# KiCad board rp2040.kicad_pcb (continued)
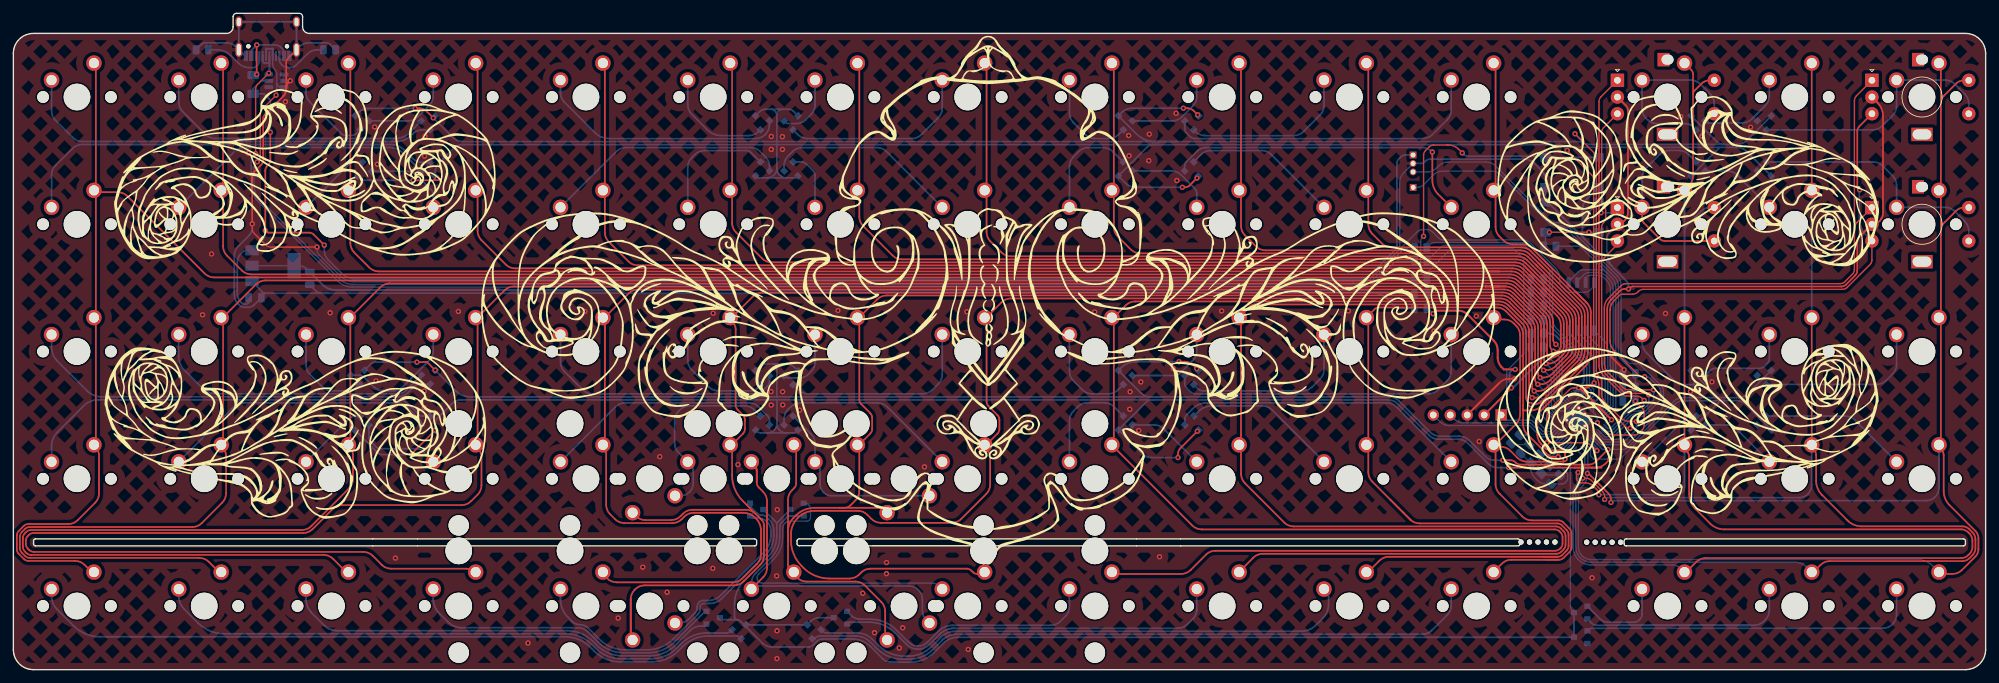
[diagram p0: board, top side]
## Routing (per net, layer and track width the routed paths; a pad name or vN(x,y) marks a point on that pad's centre or on a via; arc(x,y) is an arc through that point) (continued)
+5V: length 232.4
  Top w0.25: v1(46.55,63.55) 44.97,65.13 arc(44.65,65.35) 44.27,65.43 38.23,65.43 arc(38.04,65.47) 37.87,65.58 v1(37.72,65.73) 37.72,74.71 arc(37.79,75.09) 38.01,75.41 38.18,75.59 arc(38.4,75.91) 38.47,76.29 v1(38.47,80.44)
  Bottom w0.25: v1(46.55,63.55) 46.55,62.74 arc(46.7,61.98) 47.13,61.35 49.1,59.38 arc(50.07,58.73) 51.22,58.5 202.11,58.5 arc(202.49,58.57) 202.82,58.79 206.83,62.81 arc(207.05,63.13) 207.12,63.51 207.12,75.75 arc(207.2,76.13) 207.42,76.45 207.72,76.76 arc(208.05,76.97) 208.43,77.05 J2.1 ; v1(37.72,65.73) 37.72,65.24 arc(37.62,64.79) 37.37,64.4 U1.3 34.83,62.77 arc(34.56,62.71) 34.32,62.56 34.11,62.35 arc(33.68,61.7) 33.53,60.93 33.53,56.37 arc(33.68,55.61) 34.11,54.96 arc(34.41,54.76) 34.76,54.69 arc(34.94,54.73) 35.09,54.82 35.22,54.96 C1.1 ; U44.5 37.08,88.15 35.91,86.97 F0.2 37.53,86.21 38.47,85.27 v1(38.47,80.44) 38.47,80.22
GND: length 731.2
  Top w0.2: 35.76,66.69 v1(35.76,66.74) 35.76,66.02 arc(35.84,65.63) 36.05,65.31 37.82,63.54 arc(38.15,63.33) 38.53,63.25 v1(45.47,63.26) 45.47,63.25
  Top w0.25: v1(41.47,88.16) 41.16,87.85 arc(40.93,87.51) 40.85,87.11 40.85,86.92 ; SWrot_2.C 240.66,66.68 241.19,67.21 arc(241.59,67.8) 241.72,68.49 241.72,83.74 arc(241.65,84.12) 241.43,84.44 SWrot_2_2.C ; v1(224.77,43.55) 223.91,43.55 arc(223.15,43.39) 222.5,42.96 J1.3 222.36,42.82 ; 35.75,66.7 v1(35.76,66.74) 35.75,73.81 arc(35.82,74.19) 36.04,74.52 37.1,75.58 arc(37.32,75.91) 37.39,76.29 37.39,82.41 arc(37.47,82.8) 37.69,83.12 40.41,85.84 ; 40.85,86.92 40.85,90.83 arc(40.93,91.21) 41.14,91.54 J0.S1 ; 40.85,86.92 arc(40.73,86.33) 40.41,85.84 ; 40.85,86.92 arc(40.73,86.33) 40.41,85.84 ; SWrot_1.C 279.08,84.89 arc(279.7,83.97) 279.91,82.88 279.91,68.4 arc(279.78,67.74) 279.41,67.18 278.9,66.68 SWrot_1_1.C 276.35,64.77 arc(276.13,64.45) 276.05,64.07 276.05,59.74 arc(275.98,59.36) 275.76,59.04 274.38,57.65 arc(274.05,57.44) 273.67,57.36 242.45,57.36 arc(242.21,57.31) 242,57.17 v1(241.81,56.99) 241.2,56.99 arc(240.82,56.91) 240.5,56.69 239.2,55.39 arc(238.76,54.74) 238.61,53.98 238.61,48.26 arc(238.76,47.5) 239.2,46.85 v1(241.15,44.9)
  Bottom w0.2: 217.2,64.33 218.18,64.33 ; 217.2,64.33 214.08,64.33 arc(213.7,64.41) 213.37,64.62 212.41,65.59 arc(212.08,65.8) 211.7,65.88 210.92,65.88 arc(210.54,65.8) 210.21,65.59 207.26,62.63 ; 217.2,64.33 218.18,64.33 ; 218.18,64.33 225.83,64.33 arc(226.59,64.18) 227.24,63.75 230.93,60.05 arc(231.37,59.4) 231.52,58.64 231.52,57.97 arc(231.6,57.59) 231.81,57.26 232.28,56.79 arc(232.61,56.58) 232.99,56.5 235.32,56.5 arc(235.7,56.58) 236.02,56.79 236.48,57.25 arc(236.61,57.45) 236.66,57.69 U2.4 ; v1(41.47,88.16) 41.46,88.16 arc(41.45,88.15) 41.45,88.15 U44.2 ; 229.6,27.81 231.91,27.81 arc(232.11,27.85) 232.27,27.95 232.56,28.24 arc(232.67,28.41) 232.7,28.6 232.7,29.13 arc(232.67,29.32) 232.56,29.49 232.01,30.04 arc(231.41,30.43) 230.71,30.57 230.2,30.57 arc(230.1,30.64) 230.13,30.74 arc(230.25,30.93) 230.3,31.16 230.3,31.47 arc(230.37,31.86) 230.59,32.18 231.22,32.81 ; 227.2,30.29 227.2,29.92 ; 207.55,66.06 207.55,67.31 ; 207.55,66.06 207.55,67.31 ; 207.55,66.06 207.55,63.34 arc(207.47,62.96) 207.26,62.63 ; 207.55,67.31 207.55,72.95 arc(207.7,73.71) 208.14,74.36 J2.2 ; 207.26,62.63 206.68,62.05 ; 206.68,62.05 206.25,61.63 ; 206.68,62.05 206.25,61.63 ; 206.25,61.63 202.99,58.37 arc(202.67,58.15) 202.28,58.07 51.05,58.07 arc(49.9,58.3) 48.92,58.95 45.76,62.11 arc(45.54,62.44) 45.47,62.84 v1(45.47,63.26) ; C3.2 225.7,32.35 arc(225.77,32.34) 225.82,32.3 Y0.4 227.2,30.12 arc(227.34,29.37) 227.77,28.74 228.18,28.33 arc(228.75,27.94) 229.43,27.81 C2.2 ; C6.2 240.94,44.32 arc(240.94,44.31) 240.95,44.3 C8.2 ; 237.16,69.81 236.99,69.64 ; 231.22,32.81 U3.19 233.83,35.42 arc(233.98,35.52) 234.16,35.56 U3.57 ; 231.22,32.81 arc(231.22,32.81) 231.22,32.81 arc(231.22,32.81) 231.22,32.81 ; v1(35.76,66.74) 35.78,66.71 ; SWrot_2.C 238.87,65.39 arc(238.65,65.07) 238.58,64.69 238.58,62.73 arc(238.87,61.23) 239.72,59.97
  Bottom w0.25: J2.2 210.64,75.78 arc(211.02,75.86) 211.35,76.07 211.4,76.13 arc(211.73,76.34) 212.11,76.42 226.25,76.42 arc(227.01,76.27) 227.66,75.83 228.77,74.72 arc(229.21,74.07) 229.36,73.31 SW-1.1 229.36,70.33 231.42,68.27 ; 206.03,56.35 209.46,56.35 arc(209.58,56.33) 209.67,56.27 arc(209.73,56.17) 209.76,56.06 209.76,54.12 arc(209.75,54.11) 209.75,54.1 arc(209.73,54.09) 209.72,54.09 207.93,54.09 arc(207.17,54.24) 206.52,54.68 205.68,55.51 ; 206.03,56.35 203.66,56.35 ; 206.03,56.35 arc(205.58,56.05) 205.68,55.51 ; 240.39,59.29 241.34,58.35 ; 240.39,59.29 235.13,64.56 ; 240.39,59.29 241.34,58.35 ; 241.34,58.35 241.5,58.19 arc(241.73,57.84) 241.81,57.43 v1(241.81,56.99) ; 33.75,92.8 34.62,91.93 arc(34.68,91.89) 34.75,91.88 34.83,91.88 ; 33.75,92.8 33.75,96.98 42.39,96.98 42.39,92.8 ; 33.75,92.8 33.24,93.31 arc(32.67,93.69) 32,93.82 28.65,93.82 arc(28.41,93.78) 28.2,93.64 R7.2 ; C11.2 227.19,58.49 arc(227.19,58.5) 227.2,58.51 C14.2 ; 47.09,56.35 46.12,56.35 ; 47.09,56.35 46.12,56.35 ; 47.09,56.35 50.45,56.35 195.67,56.35 203.66,56.35 ; 46.12,56.35 37.76,56.35 ; 46.12,56.35 arc(45.68,56.44) 45.3,56.69 C4.2 ; v1(35.76,66.74) 35.76,66.1 arc(35.65,65.52) 35.31,65.02 33.66,63.37 arc(33.23,62.72) 33.08,61.95 33.08,56.08 arc(33.21,55.42) 33.59,54.85 34.02,54.41 arc(34.21,54.28) 34.44,54.24 35.14,54.24 arc(35.62,54.34) 36.04,54.61 C1.2 ; 37.76,56.35 37.58,56.35 ; 37.76,56.35 arc(37.67,56.33) 37.6,56.29 arc(37.61,56.33) 37.58,56.35 ; 42.39,92.8 41.53,91.93 arc(41.47,91.89) 41.4,91.88 41.33,91.88 ; 42.39,92.8 42.91,93.31 arc(43.48,93.69) 44.15,93.82 46.92,93.82 arc(47.19,93.77) 47.42,93.62 R6.2 ; 234.92,65.38 234.92,65.46 ; 234.92,65.38 234.92,64.77 235.13,64.56 ; 234.92,65.38 234.92,65.46 ; 234.92,65.46 234.92,66.14 ; 234.92,68.29 234.92,68.51 ; 234.92,68.29 234.92,66.82 ; 234.92,68.29 234.92,68.51 ; 234.92,68.51 234.92,68.76 ; 234.92,68.51 234.92,68.96 arc(235.07,69.73) 235.5,70.38 SW-1.1 ; 234.92,66.82 234.92,67.15 arc(234.99,67.53) 235.21,67.86 237.16,69.81 ; 234.92,66.82 234.92,66.14 ; 234.92,66.82 234.92,66.14 ; 37.58,56.35 arc(37.49,56.37) 37.42,56.41 35.76,58.08 arc(35.74,58.1) 35.73,58.14 U1.1 ; C9.2 C10.2 227.19,46.79 arc(227.03,46.02) 226.6,45.37 v1(224.77,43.55) 224.68,43.45 ; 235.13,64.56 234.41,65.28 ; 231.42,68.27 234.41,65.28 ; 231.42,68.27 arc(231.75,67.94) 232.08,67.6 ; 234.41,65.28 232.08,67.6 ; 203.66,56.35 arc(204.76,56.13) 205.68,55.51 ; 232.08,67.6 229.84,69.85 arc(229.7,69.94) 229.54,69.97 SW0.1
  vias: v1(28.32,53.13) v1(29.67,62.23) v1(35.19,77.31) v1(40.73,85.03) v1(47.42,53.43) v1(54.09,81.24) v1(54.28,43.23) v1(54.49,75.66) v1(57.19,16.7) v1(61.55,76.88) v1(61.52,41.7) v1(61.52,39.21) v1(61.62,79.84) v1(66.62,53.63) v1(77.05,3.98) v1(85.57,53.63) v1(90.55,7.72) v1(94.22,15.34) v1(96.77,31.89) v1(97.88,11.59) v1(104.77,53.35) v1(104.71,15.17) v1(108.47,30.7) v1(113.46,79.82) v1(113.48,77.88) v1(113.43,41.62) v1(113.45,39.61) v1(114.27,14.03) v1(114.37,23.95) v1(114.31,5.81) v1(114.31,1.66) v1(115.14,79.79) v1(115.14,77.88) v1(115.17,41.61) v1(115.18,39.63) v1(117.71,38.85) v1(123.45,53.76) v1(127.17,11.44) v1(128.93,5.53) v1(130.73,16.03) v1(130.72,14.37) v1(132.64,3.24) v1(133.15,6.26) v1(136.41,30.36) v1(142.75,53.58) v1(142.97,3.03) v1(161.9,53.55) v1(166.98,79.96) v1(167.03,76.93) v1(167.14,38.98) v1(167.2,41.6) v1(168.48,35.8) v1(168.8,43.07) v1(169.99,76.2) v1(170.06,80.16) v1(171.59,16.9) v1(173.65,45.08) v1(174.08,83.28) v1(174.19,73.22) v1(180.9,53.7) v1(199.87,53.7) v1(212.7,50.7) v1(219.02,52.93) v1(219.46,34.16) v1(236.34,13.75) v1(247.34,53.33) v1(249.64,82.79) v1(251.09,41.64) v1(252.78,79.85) v1(254.29,43.08) v1(260.08,81.2)
VBUS: length 11.8
  Top w0.25: 36.44,89.12 v1(36.42,89.1) 36.42,93.49 arc(36.43,93.5) 36.44,93.51 v1(36.45,93.53) 36.22,93.3
  Bottom w0.25: 40.53,91.88 40.53,92.29 arc(40.45,92.67) 40.23,93 40.11,93.11 arc(39.66,93.42) 39.12,93.53 v1(36.45,93.53) 35.92,93 arc(35.7,92.67) 35.62,92.29 35.62,91.88
/RP2040_schem/QSPI_SCLK: length 13.1
  Bottom w0.2: U2.6 235.39,50.55 arc(235.43,50.36) 235.53,50.21 237.71,48.03 arc(238.14,47.38) 238.29,46.62 238.29,39.89 U3.52
/RP2040_schem/QSPI_SD0: length 13.1
  Bottom w0.2: U3.53 238.69,39.72 238.69,47.89 arc(238.54,48.65) 238.11,49.3 U2.5
/RP2040_schem/QSPI_SD1: length 26.6
  Bottom w0.2: U2.2 234.12,58.03 arc(234.14,58.11) 234.18,58.17 235.16,59.16 arc(235.48,59.37) 235.87,59.45 237.11,59.45 arc(237.88,59.3) 238.53,58.86 238.91,58.48 arc(239.34,57.83) 239.49,57.07 239.49,39.39 U3.55
/RP2040_schem/QSPI_SD2: length 23.8
  Bottom w0.2: U3.54 239.09,39.55 239.09,56.9 arc(238.94,57.67) 238.51,58.32 238.36,58.46 arc(237.71,58.9) 236.95,59.05 236.17,59.05 arc(235.79,58.97) 235.47,58.76 235.39,58.68
/RP2040_schem/QSPI_SD3: length 13.1
  Bottom w0.2: U3.51 237.9,40.05 237.9,45.98 arc(237.74,46.75) 237.31,47.4 234.18,50.53 arc(234.14,50.59) 234.12,50.67 U2.7
/RP2040_schem/QSPI_SS: length 38.2
  Bottom w0.2: U2.1 232.85,58.03 arc(232.87,58.11) 232.91,58.17 234.29,59.56 arc(234.61,59.77) 235,59.85 237.6,59.85 arc(238.07,59.76) 238.46,59.49 ; R1.1 234.16,63.38 arc(234.54,63.3) 234.87,63.09 239.31,58.65 arc(239.74,58) 239.89,57.23 239.89,39.22 U3.56
/RP2040_schem/RUN: length 98.2
  Top w0.2: v1(216.93,77.36) 216.34,77.94 arc(215.69,78.38) 214.93,78.53 212.65,78.53 arc(212.27,78.45) 211.94,78.24 211.42,77.71 arc(211.2,77.39) 211.12,77.01 v1(211.12,64.87)
  Bottom w0.2: 211.21,64.79 v1(211.12,64.87) 210.91,64.66 arc(210.75,64.42) 210.7,64.14 210.7,59.44 R8.1 211.63,59.39 215.37,63.13 224.43,63.13 226.14,61.43 226.14,47.29 223.57,44.73 223.57,38.95 J1.1 223.53,37.34 227.32,37.34 229,35.66 230.11,35.66 U3.26
  Bottom w0.25: SW-1.2 229.49,76.69 arc(229.37,76.71) 229.27,76.78 arc(229.16,76.85) 229.04,76.87 219.54,76.87 arc(219.54,76.87) 219.54,76.87 arc(219.53,76.87) 219.53,76.87 217.76,76.87 arc(217.44,76.93) 217.17,77.11 v1(216.93,77.36)
/RP2040_schem/SWCLK: length 20.2
  Bottom w0.2: J1.5 213.58,37.13 213.68,37.04 213.89,36.88 214.11,36.74 214.35,36.64 214.61,36.58 214.87,36.54 215,36.54 226.98,36.54 228.67,34.86 230.44,34.86 U3.24
/RP2040_schem/SWD: length 17.2
  Bottom w0.2: U3.25 230.28,35.26 228.83,35.26 227.15,36.94 217.14,36.94 217.01,36.94 216.75,36.98 216.49,37.04 216.25,37.14 216.03,37.28 215.82,37.43 215.72,37.53 J1.4
/RP2040_schem/USB_D+: length 207.9
  Top w0.2: v1(39.33,86) 37.26,83.93 arc(37.05,83.6) 36.97,83.22 36.97,76.8 arc(36.91,76.5) 36.74,76.24 v1(36.51,76.02)
  Bottom w0.2: 39.44,87.75 39.44,89.12 arc(39.36,89.53) 39.14,89.87 arc(38.91,90.21) 38.83,90.62 J0.B6 ; 39.44,87.75 39.44,87.62 39.86,87.2 U44.3 ; 39.44,87.75 39.44,86.11 v1(39.33,86) ; R3.1 208.77,63.16 arc(208.39,63.08) 208.06,62.87 206.05,60.86 arc(206.05,60.86) 206.05,60.86 arc(206.05,60.86) 206.05,60.86 203.16,57.97 arc(202.83,57.75) 202.45,57.67 50.88,57.67 arc(49.73,57.9) 48.76,58.55 36.9,70.41 arc(36.25,71.39) 36.02,72.54 36.02,75.18 arc(36.08,75.5) 36.26,75.77 v1(36.51,76.02)
  Bottom w0.3: J0.B6 38.83,92.95 arc(38.82,92.95) 38.82,92.95 37.83,92.95 arc(37.83,92.95) 37.83,92.95 J0.A6
/RP2040_schem/USB_D-: length 206.1
  Top w0.2: v1(36.27,77.25) 36.27,86.91 arc(36.35,87.29) 36.56,87.62 v1(38.25,89.3)
  Bottom w0.2: 204.01,58.25 204.01,58.26 arc(204.01,58.26) 204.01,58.26 ; 204.01,58.25 203.32,57.57 arc(203,57.35) 202.62,57.27 50.71,57.27 arc(49.57,57.5) 48.59,58.15 36.5,70.25 arc(35.85,71.22) 35.62,72.37 35.62,76.13 arc(35.7,76.56) 35.94,76.92 v1(36.27,77.25) 36.41,77.38 ; 204.01,58.25 arc(204.01,58.25) 204.01,58.26 ; 38.33,91.84 38.33,90.73 ; R4.1 207.31,61.14 arc(206.93,61.06) 206.61,60.85 204.02,58.26 arc(204.02,58.26) 204.01,58.26
  Bottom w0.3: 38.33,90.8 38.33,89.38 v1(38.25,89.3) ; 38.33,90.8 38.33,91.84 ; 38.33,90.8 arc(38.32,90.8) 38.32,90.8 38.14,90.8 37.65,90.8 arc(37.42,90.89) 37.33,91.12 J0.B7
/RP2040_schem/XIN: length 10.9
  Bottom w0.2: 228.74,30.14 228.74,29.4 arc(228.74,29.39) 228.74,29.38 228.86,29.26 arc(228.98,29.18) 229.13,29.15 C2.1 ; 229.43,31.59 229.27,31.42 ; 229.43,31.59 228.26,30.41 228.26,29.87 Y0.3 ; 229.43,31.59 232.35,34.5 U3.20
/RP2040_schem/XOUT: length 8
  Bottom w0.2: U3.21 230.64,33.36 arc(230.32,33.15) 229.93,33.07 229.19,33.07 arc(228.81,33.15) 228.48,33.36 227.03,34.81 arc(226.71,35.03) 226.33,35.11 R5.1
/RP2040_schem/~{USB_BOOT}: length 9.8
  Top w0.2: v1(229.96,65.47) 229.96,65.48 arc(229.97,65.48) 229.97,65.48 233.73,65.48 ; 233.73,65.48 v1(235.88,65.48) ; 233.73,65.48 234.02,65.48
  Bottom w0.2: SW0.2 229.37,63.82 arc(229.34,63.65) 229.24,63.51 R1.2 ; 237.32,65.47 235.89,65.47 arc(235.89,65.47) 235.88,65.48 v1(235.88,65.48)
COL0: length 334.9
  Top w0.25: 12.02,90.53 12.19,90.36 arc(12.31,90.18) 12.35,89.97 12.35,72.03 arc(12.31,71.82) 12.19,71.64 ; 12.02,14.33 10.66,15.69 arc(10.01,16.12) 9.25,16.28 2.28,16.28 arc(1.89,16.35) 1.57,16.57 0.81,17.32 arc(0.6,17.65) 0.52,18.03 0.52,20.07 arc(0.6,20.45) 0.81,20.78 1.54,21.51 arc(1.87,21.72) 2.25,21.8 8.23,21.8 arc(8.99,21.95) 9.64,22.38 12.24,24.98 arc(12.67,25.63) 12.82,26.4 12.82,32.15 arc(12.73,32.62) 12.47,33.02 12.14,33.34 arc(12.11,33.37) 12.07,33.38 arc(12.05,33.39) 12.06,33.41 12.19,33.54 arc(12.31,33.72) 12.35,33.93 12.35,51.87 arc(12.31,52.08) 12.19,52.26 arc(12.12,52.43) 12.19,52.59 arc(12.31,52.77) 12.35,52.98 12.35,70.92 arc(12.31,71.13) 12.19,71.31 ; 12.25,71.48 15.64,71.48 arc(16.41,71.32) 17.06,70.89 28.64,59.31 arc(29.29,58.87) 30.06,58.72 223.92,58.72 arc(224.69,58.57) 225.33,58.13 229.93,53.54 arc(230.37,52.89) 230.52,52.12 230.52,49.42 arc(230.57,49.15) 230.73,48.91 v1(230.95,48.7) ; 12.25,71.48 arc(12.17,71.42) 12.19,71.31 ; 12.25,71.48 arc(12.17,71.53) 12.19,71.64 ; 12.19,71.31 arc(12.12,71.48) 12.19,71.64
  Bottom w0.2: U3.37 231.86,40.71 231.86,47.79 v1(230.95,48.7)
COL1: length 548.8
  Top w0.25: 31.07,90.53 31.24,90.36 arc(31.36,90.18) 31.4,89.97 31.4,72.03 arc(31.36,71.82) 31.24,71.64 arc(31.17,71.48) 31.24,71.31 arc(31.36,71.13) 31.4,70.92 31.4,63.39 arc(31.55,62.63) 31.99,61.98 34.21,59.76 arc(34.86,59.32) 35.62,59.17 224.11,59.17 arc(224.87,59.02) 225.52,58.58 231.08,53.02 arc(231.52,52.37) 231.67,51.61 231.67,48.42 arc(231.61,48.13) 231.45,47.89 231.23,47.67 v1(230.56,47.67) ; v1(230.56,47.67) 230.32,47.91 arc(230.13,48.19) 230.07,48.51 230.07,51.94 arc(229.92,52.7) 229.48,53.35 225.15,57.68 arc(224.5,58.12) 223.73,58.27 37.75,58.27 arc(36.98,58.12) 36.33,57.68 31.24,52.59 arc(31.17,52.43) 31.24,52.26 arc(31.36,52.08) 31.4,51.87 31.4,33.93 arc(31.36,33.72) 31.24,33.54 arc(31.17,33.38) 31.24,33.21 31.46,32.99 arc(31.74,32.56) 31.85,32.06 31.85,26.41 arc(31.69,25.64) 31.26,24.99 28.2,21.93 arc(27.55,21.5) 26.79,21.35 2.44,21.35 arc(2.05,21.27) 1.73,21.06 1.26,20.59 arc(1.05,20.27) 0.97,19.88 0.97,18.22 arc(1.05,17.83) 1.26,17.51 1.75,17.02 arc(2.08,16.8) 2.46,16.73 27.85,16.73 arc(28.61,16.57) 29.26,16.14 31.07,14.33 ; v1(230.56,47.67) 230.58,47.65
  Bottom w0.2: U3.36 231.46,40.54 231.46,46.77 v1(230.56,47.67)
COL2: length 549.8
  Top w0.25: 220.37,59.62 54.69,59.62 arc(53.93,59.77) 53.28,60.2 51.04,62.45 arc(50.6,63.1) 50.45,63.86 50.45,70.92 arc(50.41,71.13) 50.29,71.31 arc(50.22,71.48) 50.29,71.64 arc(50.41,71.82) 50.45,72.03 50.45,89.97 arc(50.41,90.18) 50.29,90.36 50.12,90.53 ; 220.37,59.62 222.5,59.62 ; 220.37,59.62 222.5,59.62 ; v1(229.99,46.68) 229.8,46.87 arc(229.67,47.07) 229.62,47.31 229.62,51.75 arc(229.47,52.51) 229.03,53.16 224.96,57.23 arc(224.31,57.67) 223.55,57.82 56.35,57.82 arc(55.58,57.67) 54.93,57.23 50.29,52.59 arc(50.22,52.43) 50.29,52.26 arc(50.41,52.08) 50.45,51.87 50.45,33.93 arc(50.41,33.72) 50.29,33.54 arc(50.22,33.38) 50.29,33.21 50.48,33.02 arc(50.75,32.62) 50.84,32.15 50.84,28.55 arc(50.69,27.79) 50.26,27.14 44.61,21.49 arc(43.96,21.05) 43.19,20.9 2.62,20.9 arc(2.24,20.82) 1.92,20.61 1.71,20.4 arc(1.5,20.08) 1.42,19.7 1.42,18.4 arc(1.5,18.02) 1.71,17.7 1.94,17.47 arc(2.27,17.25) 2.65,17.18 46.45,17.18 arc(47.21,17.02) 47.86,16.59 50.12,14.33 ; v1(229.99,46.68) 230.05,46.68 arc(230.82,46.83) 231.47,47.27 231.83,47.63 arc(232.04,47.95) 232.12,48.33 232.12,48.75 232.12,51.79 arc(231.97,52.56) 231.53,53.21 225.71,59.03 arc(225.06,59.47) 224.29,59.62 222.5,59.62 ; v1(229.99,46.68) 230.12,46.55
  Bottom w0.2: U3.35 231.06,40.38 231.06,45.61 v1(229.99,46.68)
COL3: length 552
  Top w0.25: 69.17,90.53 69.34,90.36 arc(69.46,90.18) 69.5,89.97 69.5,72.03 arc(69.46,71.82) 69.34,71.64 arc(69.27,71.48) 69.34,71.31 arc(69.46,71.13) 69.5,70.92 69.5,65.7 arc(69.65,64.94) 70.09,64.29 73.72,60.65 arc(74.37,60.22) 75.14,60.07 224.48,60.07 arc(225.24,59.92) 225.89,59.48 231.98,53.39 arc(232.42,52.74) 232.57,51.98 232.57,48.93 ; 221.19,57.37 223.36,57.37 ; 221.19,57.37 220.41,57.37 ; 221.19,57.37 223.36,57.37 ; 223.36,57.37 arc(224.13,57.22) 224.78,56.79 228.58,52.98 arc(229.02,52.33) 229.17,51.56 229.17,46.31 arc(229.21,46.13) 229.31,45.97 v1(229.46,45.83) 229.83,45.83 arc(230.6,45.98) 231.25,46.41 231.95,47.11 arc(232.41,47.8) 232.57,48.61 232.57,49.48 ; 220.41,57.37 222.65,57.37 ; 220.41,57.37 74.95,57.37 arc(74.18,57.22) 73.54,56.79 69.34,52.59 arc(69.27,52.43) 69.34,52.26 arc(69.46,52.08) 69.5,51.87 69.5,33.93 arc(69.46,33.72) 69.34,33.54 69.19,33.39 arc(69.19,33.38) 69.2,33.38 arc(69.22,33.37) 69.24,33.36 69.65,32.94 arc(69.97,32.46) 70.08,31.9 70.08,27.61 arc(69.93,26.84) 69.5,26.19 68.52,25.22 arc(67.87,24.78) 67.11,24.63 49.21,24.63 arc(48.45,24.48) 47.8,24.04 44.79,21.04 arc(44.14,20.6) 43.38,20.45 3.02,20.45 arc(2.64,20.37) 2.31,20.16 2.16,20.01 arc(1.95,19.68) 1.87,19.3 1.87,18.83 arc(1.95,18.45) 2.16,18.12 2.37,17.92 arc(2.69,17.7) 3.07,17.63 52.39,17.63 arc(53.16,17.47) 53.81,17.04 55.15,15.7 arc(55.8,15.26) 56.56,15.11 67.83,15.11 arc(68.35,15.01) 68.78,14.72 69.17,14.33
  Bottom w0.2: U3.34 230.66,40.21 230.66,44.62 v1(229.46,45.83)
COL4: length 436.9
  Top w0.25: 88.55,44.25 88.55,51.87 ; 88.22,90.53 88.39,90.36 arc(88.51,90.18) 88.55,89.97 88.55,72.03 arc(88.51,71.82) 88.39,71.64 arc(88.32,71.48) 88.39,71.31 arc(88.51,71.13) 88.55,70.92 88.55,65.47 arc(88.7,64.71) 89.14,64.06 92.09,61.1 arc(92.74,60.67) 93.51,60.52 224.66,60.52 arc(225.43,60.37) 226.08,59.93 232.43,53.58 arc(232.87,52.93) 233.02,52.16 233.02,48.37 arc(232.87,47.61) 232.44,46.97 230.88,45.41 arc(230.23,44.98) 229.47,44.83 v1(229.09,44.83) 228.9,45.01 arc(228.77,45.21) 228.72,45.45 228.72,46.49 ; 228.72,46.49 228.72,51.38 arc(228.57,52.14) 228.13,52.79 224.59,56.34 arc(223.94,56.77) 223.17,56.92 138.46,56.92 93.55,56.92 arc(92.78,56.77) 92.14,56.34 88.39,52.59 arc(88.32,52.43) 88.39,52.26 ; 228.72,46.49 228.72,45.63 ; 88.55,51.87 88.55,33.93 arc(88.51,33.72) 88.39,33.54 arc(88.32,33.38) 88.39,33.21 88.48,33.12 arc(88.68,32.83) 88.74,32.49 88.74,24.69 arc(88.9,23.92) 89.33,23.27 90.08,22.53 arc(90.73,22.09) 91.49,21.94 98.66,21.94 arc(99.42,22.09) 100.07,22.53 100.45,22.9 arc(101.1,23.34) 101.86,23.49 109.2,23.49 arc(110.24,23.28) 111.13,22.69 arc(111.73,21.8) 111.94,20.75 111.94,17.28 arc(111.78,16.51) 111.35,15.87 109.14,13.66 arc(108.49,13.22) 107.72,13.07 90.37,13.07 arc(89.55,13.23) 88.85,13.7 88.22,14.33 ; 88.55,51.87 arc(88.51,52.08) 88.39,52.26 ; 88.55,51.87 arc(88.51,52.08) 88.39,52.26
  Bottom w0.2: v1(229.09,44.83) 230.26,43.65 230.26,39.48 U3.32
COL5: length 410.7
  Top w0.25: 226.26,60.38 232.88,53.76 ; 226.26,60.38 232.88,53.76 ; 226.26,60.38 arc(225.62,60.82) 224.85,60.97 113.52,60.97 arc(112.75,61.12) 112.1,61.55 108.19,65.47 arc(107.75,66.12) 107.6,66.88 107.6,70.92 arc(107.56,71.13) 107.44,71.31 arc(107.37,71.48) 107.44,71.64 arc(107.56,71.82) 107.6,72.03 107.6,89.97 arc(107.56,90.18) 107.44,90.36 107.27,90.53 ; 232.88,53.76 arc(233.32,53.12) 233.47,52.35 233.47,48 arc(233.35,47.41) 233.01,46.9 230.41,44.31 arc(229.76,43.87) 229,43.72 v1(228.58,43.72) 228.43,43.87 arc(228.31,44.05) 228.27,44.25 228.27,51.19 arc(228.12,51.96) 227.68,52.6 224.4,55.89 arc(223.75,56.32) 222.99,56.47 221.8,56.47 112.15,56.47 arc(111.39,56.32) 110.74,55.89 107.71,52.86 arc(107.53,52.43) 107.71,51.99 arc(108.03,51.52) 108.14,50.95 108.14,39.61 arc(108.21,39.23) 108.43,38.91 109.23,38.1 arc(109.45,37.78) 109.52,37.4 109.52,36.04 arc(109.45,35.66) 109.23,35.33 107.44,33.54 arc(107.37,33.38) 107.44,33.21 arc(107.56,33.03) 107.6,32.82 107.6,29.11 arc(108.01,27.03) 109.19,25.26 112.06,22.39 ; 112.06,22.39 111.43,23.03 ; 112.06,22.39 arc(112.3,22.04) 112.38,21.62 112.38,17.09 arc(112.23,16.33) 111.8,15.68 109.33,13.21 arc(108.68,12.77) 107.91,12.62 94.51,12.62 arc(93.75,12.47) 93.1,12.03 93.01,11.95 arc(92.58,11.3) 92.43,10.53 92.43,5.28 ; 92.59,4.89 93.54,3.93 ; 92.59,4.89 arc(92.47,5.07) 92.43,5.28 ; 92.59,4.89 arc(92.47,5.07) 92.43,5.28 ; 92.71,23.5 93.26,22.94 arc(93.87,22.53) 94.6,22.39 98.47,22.39 arc(99.24,22.54) 99.88,22.98 100.26,23.35 arc(100.91,23.79) 101.68,23.94 109.65,23.94 arc(110.45,23.78) 111.13,23.32 ; 92.43,5.28 92.43,10.69
  Bottom w0.2: v1(228.58,43.72) 229.86,42.44 229.86,39.31 U3.31
COL6: length 359.9
  Top w0.25: 115.97,19.83 115.97,19.17 ; 115.97,19.83 115.97,19.17 ; 115.97,19.83 115.97,20.7 arc(116.19,21.8) 116.81,22.74 117.13,23.06 arc(118.43,23.93) 119.96,24.23 123.63,24.23 ; 115.97,19.83 115.97,25.42 arc(116.12,26.18) 116.55,26.83 116.9,27.18 arc(117.12,27.51) 117.2,27.89 117.2,32.7 arc(117.14,32.96) 117,33.18 116.8,33.38 ; 115.97,19.17 115.97,15.75 arc(116.07,15.2) 116.38,14.74 117.37,13.76 arc(118,13.34) 118.74,13.19 126.06,13.19 arc(126.82,13.04) 127.47,12.6 129.94,10.14 arc(130.37,9.49) 130.53,8.72 130.53,5.28 arc(130.57,5.07) 130.69,4.89 130.85,4.73 ; 123.63,24.23 124.28,24.23 ; 123.63,24.23 124.28,24.23 ; 124.28,24.23 129.56,24.23 arc(130.04,24.13) 130.44,23.86 130.81,23.5 ; 130.4,24.23 130.85,23.78 ; 126.33,90.53 126.49,90.36 arc(126.61,90.18) 126.65,89.97 126.65,72.03 arc(126.61,71.82) 126.49,71.64 arc(126.42,71.48) 126.49,71.31 arc(126.61,71.13) 126.65,70.92 126.65,67.82 arc(126.8,67.05) 127.24,66.4 131.63,62 arc(132.28,61.57) 133.05,61.42 225.04,61.42 arc(225.8,61.26) 226.45,60.83 233.33,53.95 arc(233.76,53.3) 233.92,52.54 233.92,47.82 arc(233.8,47.22) 233.46,46.72 230.04,43.3 arc(229.4,42.87) 228.63,42.72 v1(228.23,42.72) 228.02,42.92 arc(227.87,43.14) 227.82,43.41 227.82,51 arc(227.67,51.77) 227.23,52.42 224.22,55.44 arc(223.57,55.87) 222.8,56.02 130.75,56.02 arc(129.99,55.87) 129.34,55.44 126.49,52.59 arc(126.42,52.43) 126.49,52.26 arc(126.61,52.08) 126.65,51.87 126.65,40.46 arc(126.73,40.08) 126.94,39.75 128.28,38.41 arc(128.5,38.09) 128.57,37.71 128.57,36.04 arc(128.5,35.66) 128.28,35.33 126.49,33.54 arc(126.42,33.38) 126.49,33.21 arc(126.61,33.03) 126.65,32.82 126.65,26.75 arc(126.5,25.99) 126.06,25.34 125.31,24.58 arc(124.92,24.32) 124.45,24.23
  Bottom w0.2: v1(228.23,42.72) 228.23,42.67 229.46,41.44 229.46,39.15 U3.30
COL7: length 329.6
  Top w0.25: 145.38,14.33 144.28,14.33 arc(143.95,14.39) 143.68,14.57 143.43,14.82 arc(143.1,15.04) 142.72,15.12 128.33,15.12 arc(127.56,14.96) 126.91,14.53 126.6,14.22 arc(125.96,13.79) 125.19,13.64 122.15,13.64 arc(120.06,14.05) 118.3,15.23 118.01,15.52 arc(116.83,17.29) 116.42,19.37 116.42,20.24 arc(116.68,21.59) 117.45,22.74 arc(118.6,23.51) 119.96,23.78 126.43,23.78 arc(127.19,23.63) 127.84,23.19 128.47,22.56 arc(129.12,22.13) 129.89,21.98 140.49,21.98 arc(141.26,22.13) 141.91,22.56 145.66,26.31 arc(146.09,26.96) 146.25,27.73 146.25,31.78 arc(146.13,32.35) 145.81,32.84 145.41,33.23 arc(145.38,33.27) 145.38,33.32 arc(145.38,33.37) 145.41,33.41 147.33,35.33 arc(147.55,35.66) 147.62,36.04 147.62,37.4 arc(147.55,37.78) 147.33,38.1 145.99,39.44 arc(145.78,39.77) 145.7,40.15 145.7,51.87 arc(145.66,52.08) 145.54,52.26 arc(145.47,52.43) 145.54,52.59 147.94,54.99 arc(148.59,55.42) 149.35,55.57 222.62,55.57 arc(223.38,55.42) 224.03,54.99 226.79,52.23 arc(227.22,51.58) 227.37,50.82 227.37,42.24 arc(227.41,42.04) 227.53,41.86 v1(227.69,41.71) 228.26,41.71 arc(229.02,41.86) 229.67,42.29 233.46,46.08 ; 233.46,46.08 233.71,46.33 arc(234.2,47.06) 234.37,47.91 234.37,52.72 arc(234.21,53.49) 233.78,54.14 226.64,61.28 arc(225.99,61.71) 225.22,61.87 149.36,61.87 arc(148.59,62.02) 147.94,62.45 146.29,64.11 arc(145.85,64.76) 145.7,65.52 145.7,70.92 arc(145.66,71.13) 145.54,71.31 arc(145.47,71.48) 145.54,71.64 arc(145.66,71.82) 145.7,72.03 145.7,89.97 arc(145.66,90.18) 145.54,90.36 145.38,90.53 ; 233.46,46.08 233.78,46.4
  Bottom w0.2: U3.29 229.03,39 229.03,40.36 v1(227.69,41.71)
COL8: length 361
  Top w0.24: 229.96,58.59 234.23,54.32 arc(234.66,53.67) 234.82,52.91
  Top w0.25: 227.97,60.58 228.18,60.37 ; 227.97,60.58 228.18,60.37 ; 227.97,60.58 226.82,61.73 arc(226.17,62.16) 225.41,62.32 168.71,62.32 arc(167.94,62.47) 167.29,62.9 165.34,64.86 arc(164.9,65.51) 164.75,66.27 164.75,70.92 arc(164.71,71.13) 164.59,71.31 arc(164.52,71.48) 164.59,71.64 arc(164.71,71.82) 164.75,72.03 164.75,89.97 arc(164.71,90.18) 164.59,90.36 164.43,90.53 ; 228.18,60.37 229.96,58.59 ; 164.43,14.78 164.43,14.55 arc(164.49,14.39) 164.65,14.33 174.83,14.33 arc(175.6,14.48) 176.25,14.91 178.55,17.21 arc(179.2,17.65) 179.96,17.8 230.82,17.8 arc(231.2,17.88) 231.53,18.09 231.64,18.21 arc(231.86,18.53) 231.94,18.91 231.94,19.83 arc(231.86,20.21) 231.64,20.53 231.48,20.7 arc(231.15,20.92) 230.77,20.99 177.91,20.99 arc(177.15,21.14) 176.5,21.58 164.8,33.28 arc(164.69,33.35) 164.56,33.38 arc(164.51,33.41) 164.52,33.47 164.59,33.54 arc(164.71,33.72) 164.75,33.93 164.75,51.87 arc(164.71,52.08) 164.59,52.26 arc(164.52,52.43) 164.59,52.59 166.54,54.54 arc(167.19,54.97) 167.95,55.12 222.43,55.12 arc(223.2,54.97) 223.84,54.54 226.34,52.05 arc(226.77,51.4) 226.92,50.63 226.92,41.54 arc(226.98,41.22) 227.16,40.96 v1(227.41,40.72) 227.9,40.72 arc(228.67,40.87) 229.32,41.3 234.14,46.12 arc(234.64,46.87) 234.82,47.76 234.82,52.91
  Bottom w0.2: v1(227.41,40.72) 228.11,40.72 228.63,40.19 228.63,38.22 U3.28
COL9: length 291.7
  Top w0.24: 229.9,59.29 234.68,54.51 arc(235.11,53.86) 235.27,53.1
  Top w0.25: 229.9,59.29 227.01,62.18 arc(226.36,62.61) 225.6,62.77 187.47,62.77 arc(186.7,62.92) 186.05,63.35 184.39,65.02 arc(183.95,65.67) 183.8,66.43 183.8,70.92 arc(183.76,71.13) 183.64,71.31 arc(183.57,71.48) 183.64,71.64 arc(183.76,71.82) 183.8,72.03 183.8,89.97 arc(183.76,90.18) 183.64,90.36 183.48,90.53 ; 228.27,60.92 228.87,60.32 ; 183.48,14.33 183.48,14.46 arc(183.5,14.59) 183.57,14.7 185.64,16.76 arc(186.29,17.2) 187.05,17.35 231.02,17.35 arc(231.4,17.43) 231.73,17.64 232.09,18.01 arc(232.31,18.33) 232.38,18.71 232.38,20.01 arc(232.31,20.39) 232.09,20.72 231.66,21.15 arc(231.34,21.36) 230.96,21.44 191.68,21.44 arc(190.92,21.59) 190.27,22.03 184.39,27.91 arc(183.95,28.56) 183.8,29.32 183.8,32.82 arc(183.76,33.03) 183.64,33.21 arc(183.57,33.38) 183.64,33.54 arc(183.76,33.72) 183.8,33.93 183.8,51.87 arc(183.76,52.08) 183.64,52.26 183.57,52.33 arc(183.5,52.44) 183.48,52.56 arc(183.5,52.69) 183.57,52.8 185.16,54.38 arc(185.48,54.6) 185.86,54.67 222.24,54.67 arc(223.01,54.52) 223.66,54.09 225.89,51.86 arc(226.32,51.21) 226.47,50.45 226.47,40.8 arc(226.56,40.37) 226.8,40.01 v1(227.12,39.69) 227.51,39.69 arc(228.27,39.84) 228.92,40.27 234.47,45.82 arc(235.06,46.7) 235.27,47.74 235.27,53.1
  Bottom w0.2: v1(227.12,39.69) 227.12,38.2 229.22,36.11 229.7,36.11 229.7,36.11 229.99,36.11 U3.27 230.12,36.24
